# Altium PCB WX0.010.826PCB-4.2.PcbDoc (part 2 of 2)
Units mil, origin at the board's own origin, x right, y up, seen from the top; angles counter-clockwise.
Board outline 4340.74 x 9647.83 mil, 4 copper layers (Top Layer, GND, POWER, Bottom Layer), stack 80.043 mil thick; 211 components, 152 nets, 662 pads, 484 vias.
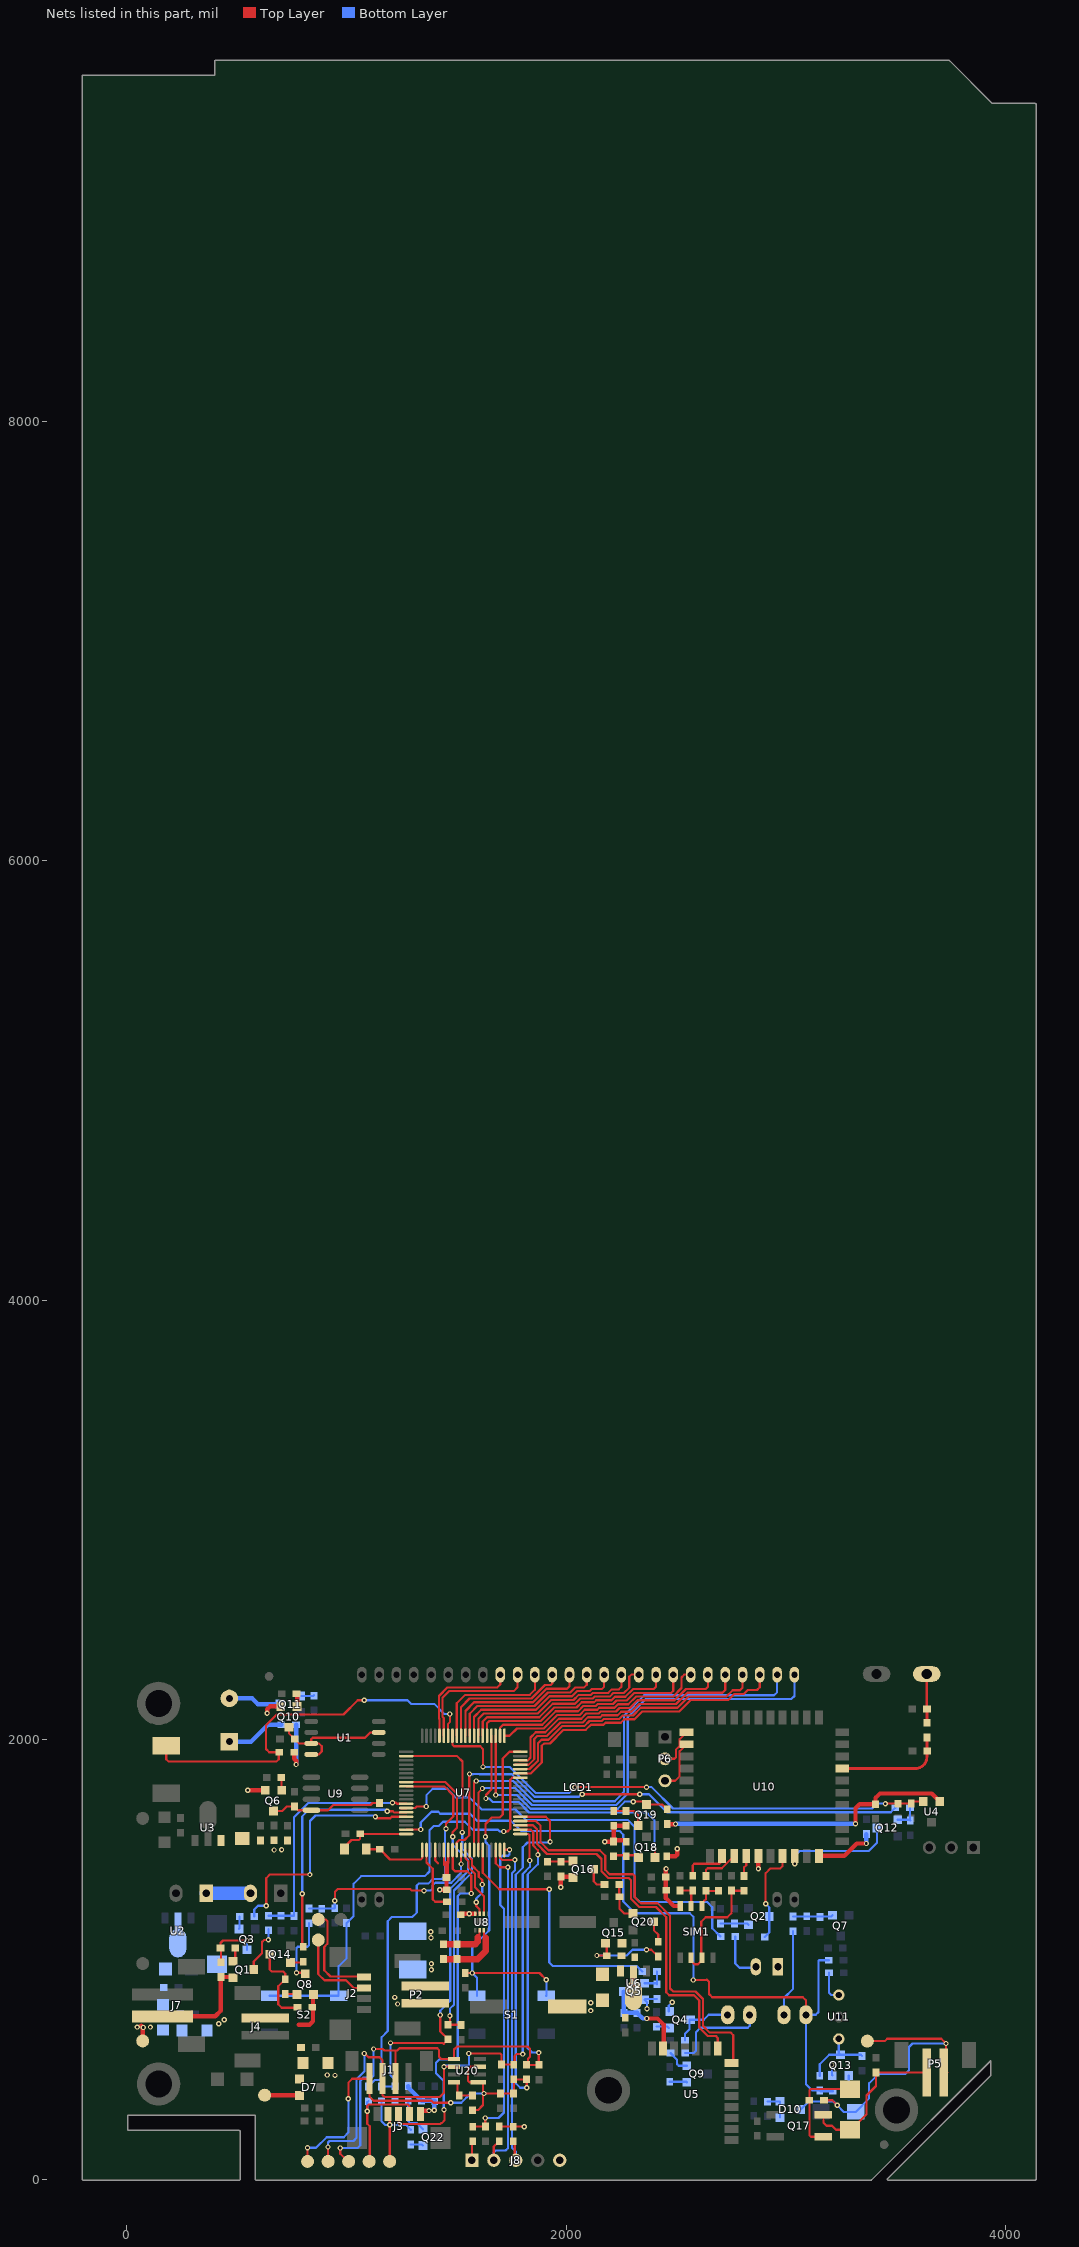
[diagram p4: the nets of this part, all layers, seen from the top]

## Via types
v1: diameter 24, hole 12, Top Layer to Bottom Layer, tented both sides, 484 vias

## Nets (pads, with @x,y where several pads share a name; then routed paths per layer and width w, separated by ;. In a path a pad name is that pad's centre, name@x,y a point inside that pad or via, vN(x,y) a via of type N, cw(c..) or ccw(c..) an arc to the next point about the centre after c; other vN are vias at no path point) (continued)
GPRS_WAKEUP: R45.1 U7.69 | length 2413
  Top Layer w10: U7.69@1502.37,1498 1502.37,1531.89 1513.94,1543.46 1537.72,1543.46 1559,1564.75 1559,1843 v1(1560,1844) ; v1(2073,1752) v1(2335,1752)
  Bottom Layer w10: v1(1560,1844) 1561,1843 1576.52,1843 1577.75,1844.23 1604.25,1844.23 1605.48,1843 1752.96,1843 1856.09,1739.87 2058.09,1739.87 2070.23,1752 v1(2073,1752) ; v1(2335,1752) 2377,1752 2459,1670 3477.2,1670 R45.1@3497.6,1690.4
HALL1_INTP6: C41.1 C43.1 U4.2 U7.33 | length 2388.9
  Top Layer w10: U7.33@1482.69,2017.68 1482.69,1977.31 1490,1970 1609,1970 1622,1957 v1(1622,1876) ; v1(2039,1783) 2043,1787 2046,1784 v1(2366,1784) ; v1(3453,1709) 3570.51,1709 C41.1@3571,1709.49 3579.75,1718.24 U4.2@3625.6,1718.24
  Bottom Layer w10: v1(1622,1876) 1744,1876 1863.13,1756.87 2012.87,1756.87 v1(2039,1783) ; v1(2366,1784) 2389,1784 2486,1687 3392,1687 3414,1709 v1(3453,1709)
HIC1_EXT: J3.3 U7.68 | length 1709.5
  Top Layer w10: J3.3@1237.96,295.66 1237.96,256.04 1243,251 1427.25,251 1431.25,255 1434,255 1446,267 1446,314 v1(1444,316) ; U7.68@1483.69,1498 1483.69,1411.31 1494,1401 1550,1401 1568.5,1382.5 v1(1568.5,1299.73)
  Bottom Layer w10: v1(1444,316) 1443,317 1443,447 1408,482 1408,530 1424,546 1496,546 1507,557 1507,1289 1517.73,1299.73 v1(1568.5,1299.73)
IN1: 119.1 D10.3 P5.1 R75.1 TVS2.1 | length 1501
  Top Layer w10: R75.1@3174,359 3211,359 v1(3234,336) ; 119.1@3371,628 3450,628 3461,639 3707,639 v1(3729,617) 3729,490.38 P5.1@3734.2,485.18
  Bottom Layer w10: D10.3@3068.24,317.26 3104.42,353.43 3216.57,353.43 v1(3234,336) 3264,306 TVS2.1@3317.48,306 3379,367.52 3379,436 3421,478 3542,478 3560,496 3560,601 3576,617 v1(3729,617)
IN2: D13.1 FB2.2 P5.2 Q17.2 | length 712.9
  Top Layer w10: Q17.2@3171,293 3171,257 3185,243 3210,243 3228,225 D13.1@3292,225 3297,225 3367,295 3367,381 3410,424 FB2.2@3410,485 3410.51,485.51 3640.13,485.51 P5.2@3640.46,485.18
INTP1: C47.2 S1.1 U7.20 | length 1730.7
  Top Layer w10: C47.2@1541,938 v1(1573,938) 1879,938 v1(1910,907) ; v1(1632.69,1558.46) 1632.69,1616.69 1661.52,1645.52 1698.48,1645.52 1712,1659.04 1712,1914.21 1742.64,1944.85 U7.20@1791.74,1944.85 U7.20@1792.74,1944.85
  Bottom Layer w10: S1.1@1594.49,834.65 1594.49,916.51 v1(1573,938) 1573,1054 1578,1059 1577,1060 1650,1133 1650,1517 1632.69,1534.31 v1(1632.69,1558.46) ; S1.1@1909.45,834.65 1910,835.2 v1(1910,907)
INTP4: C46.2 S2.1 U7.14 | length 2064.8
  Top Layer w10: v1(1716,1582) 1733,1582 1746,1595 1746,1817.74 1755,1826.74 U7.14@1766.74,1826.74
  Bottom Layer w10: S2.1@649.61,834.65 S2.1@964.57,834.65 964.57,968.57 1001,1005 C46.2@1001,1166 1033,1198 1033,1345 1067,1379 1357,1379 1378,1400 1378,1588.18 1397.28,1607.46 1420.7,1607.46 1440.1,1626.87 1539.13,1626.87 1575.54,1590.46 1689.94,1590.46 1698.41,1582 v1(1716,1582)
IRED_RXD_EN: D6.2 R23.2 R32.1 R34.1 U7.59 | length 3469.9
  Top Layer w10: U7.59@1272.06,1590.52 1272.54,1591 v1(1338,1591) ; v1(2579,906) 2637,906 2640,909 2650,899 2650,843 2665,828 3077.34,828 3091.34,814 D6.2@3091.34,748.03
  Bottom Layer w10: v1(1338,1591) 1338,1623 1387,1672 1418.25,1672 1427.25,1663 1562.58,1663 1594.58,1631 1748.58,1631 1795.58,1584 2244,1584 2260,1568 2260,1263.62 2313.62,1210 2563,1210 2579,1194 v1(2579,906) ; R23.2@3195,996 3152,996 3149,993 3149,761 3136.03,748.03 D6.2@3091.34,748.03 3091.34,431.66 3120,403 R32.1@3154,403 3157,400 R34.1@3214,400
LED: R37.1 U7.54 | length 2046.5
  Top Layer w10: U7.54@1247.06,1688.94 1248,1688 U7.54@1273.06,1688 ; U7.54@1272.06,1688.94 1312.95,1688.94 1320.01,1696 v1@1357.11,1696 ; v1@1361,1692.11 1365,1696.11 1364,1697.11 v1(1364,1696)
  Bottom Layer w10: v1(1364,1696) 1364,1747 1393.39,1776.39 1458.61,1776.39 1497,1738 1559.7,1738 1615.7,1682 1769.71,1682 1816.71,1635 2279.96,1635 2311,1603.96 2311,1284.75 2334.75,1261 2642,1261 2665,1238 2665,1142 R37.1@2703,1104
MCU_RxD1: Q19.3 R74.1 U7.23 | length 1105
  Top Layer w10: v1(1680,1748) 1679.54,1748.46 U7.23@1679.54,2017.68 U7.23@1680.04,2017.18 ; v1(2306,1718) 2352.09,1718 Q19.3@2365.6,1704.49 2438.51,1704.49 2452.35,1690.65 2455.7,1694.01 R74.1@2462.74,1694.01
  Bottom Layer w10: v1(1680,1748) 1775.83,1748 1837.83,1686 2235.04,1686 2267.04,1718 v1(2306,1718)
MCU_TxD1: Q18.2 U7.24 | length 1271.4
  Top Layer w10: v1(1635,1732) 1635,1748.25 1659.85,1773.11 U7.24@1659.85,2017.68 ; v1(2402,1504) 2403.81,1502.19 Q18.2@2403.81,1468.36
  Bottom Layer w10: v1@1635,1734 v1(1635,1732) 1650.75,1732 1666.75,1716 1783.79,1716 1830.79,1669 2366,1669 2402,1633 v1(2402,1504)
MOTO_B: C37.2 C60.2 J2.1 M_B.1 P2.1 TVS1.2 U8.3 | length 740
  Top Layer w10: M_B.1@872,1182 906,1182 913.53,1174.47 913.53,1071.2 899,1056.67 899,951 927.95,922.05 J2.1@1062,922.05 ; U8.3@1625.84,1132.59 1625.84,1108.16 1635,1099
  Top Layer w30: C37.2@1457,1001.49 1597.49,1001.49 1635,1039 1635,1099
  other v1: 1387,953 1387,980
MOTO_R: C37.1 C60.1 J2.2 M_R.1 P2.2 TVS1.1 U8.2 | length 590.5
  Top Layer w10: M_R.1@872,1088.4 872,933 899.95,905.05 997.95,905.05 1032.58,870.42 J2.2@1080,870.42 ; 1598,1100 1606.16,1108.16 U8.2@1606.16,1132.59
  Top Layer w30: C37.1@1457,1068.49 1585.49,1068.49 1598,1081 1598,1100
  other v1: 1233,797 1220,827 1385,1099 1384,1126
NB_POWER: Q20.3 R18.1 | length 99.2
  Top Layer w10: Q20.3@2399.24,1171 2399.24,1132.76 2419,1113 R18.1@2419,1080
NetB1_1: B1.1 R27.1 | length 268.9
  Bottom Layer w20: B1.1@467,1991 566,1991 643,2068 R27.1@704,2068
NetB1_2: B1.2 Q11.3 | length 241.5
  Bottom Layer w20: B1.2@467,2187.85 571.15,2187.85 597,2162 Q11.3@697.76,2162
NetC1_1: C1.1 R2.2 U10.27 | length 503.5
  Top Layer w13: U10.27@3256.9,1868.9 3589,1868.9 ccw(c3589,1921.9) 3642,1921.9 R2.2@3642,2010
NetC2_1: C2.1 R2.1 W1.1 | length 222.4
  Top Layer w13: W1.1@3641,2299 3641,2141 C2.1@3642,2140 R2.1@3642,2077
NetC4_1: C4.1 D2.2 R42.1 U2.2
NetC11_1: C11.1 Q7.1 R5.2 R19.1 | length 182.1
  Bottom Layer w10: R19.1@3033,1195.14 3206.6,1195.14 Q7.1@3212.6,1201.14
NetC12_2: C12.2 C50.1 | length 201.2
  Bottom Layer w60: C12.2@362,1301 562.89,1301 C50.1@563.14,1300.75
NetC21_1: C21.1 Q15.2 R6.2 R50.2 U6.3
NetC22_1: C22.1 C33.1 Q5.3 U5.14 | length 412
  Top Layer w20: v1(2367,731) 2416,731 2445,702 2445,598.53 U5.14@2440.4,593.93
  Bottom Layer w20: Q5.3@2261.76,854 2261.76,758.74 C33.1@2264,756.49 C22.1@2323,756.49 2348.49,731 v1(2367,731)
NetC36_1: C36.1 Q10.3 U1.3 U1.7 U1.8 | length 617.8
  Top Layer w10: Q10.3@738.26,2056.75 738.26,2029.74 C36.1@765,2003 786,1982 876,1982 888,1970 888,1946 875,1933 U1.8@840,1933 ; U1.7@840,1983 840,2002 847,2009 1085.04,2009 1109.04,2033 U1.3@1147.09,2033
NetC38_1: C38.1 U7.62 | length 306.3
  Top Layer w10: U7.62@1364.57,1498 1364.57,1441.43 1393,1413 1393,1273 1404,1262 C38.1@1458,1262
NetC54_2: C54.2 Q18.1 R48.1 | length 116.5
  Top Layer w10: R48.1@2215,1474.36 2323.01,1474.36 Q18.1@2329.01,1468.36
NetC55_2: C55.2 Q19.1 R51.1 | length 165
  Top Layer w10: R51.1@2217,1675 C55.2@2273,1675 2309,1675 2328.2,1655.8 Q19.1@2328.2,1610
NetC58_1: C58.1 Q6.3 R22.1 U9.8 | length 511.7
  Top Layer w10: Q6.3@668,1675.76 708.76,1675.76 728.51,1695.51 C58.1@764,1695.51 780.51,1679 U9.8@841,1679 916,1679 940,1703 1110,1703 1119,1712 R22.1@1151,1712
NetC65_2: C65.2 Q13.3 R32.2 U11.3 | length 341.6
  Bottom Layer w10: R32.2@3154,470 3154,523 3197.24,566.24 Q13.3@3249,566.24 ; U11.3@3241,638 3241,574.24 Q13.3@3249,566.24 ; C65.2@3347,560 3340.76,566.24 Q13.3@3249,566.24
NetD1_2: D1.2 R37.2 | length 226.1
  Bottom Layer w10: R37.2@2770,1104 2770,981 2789,962 2858.82,962 D1.2@2863.39,966.57
NetD5_1: D5.1 Q4.3 R16.2 | length 285.2
  Bottom Layer w10: R16.2@2541,632 2541,661 2561.49,681.49 2561.49,725.4 2626.4,725.4 2649.03,748.03 D5.1@2735.43,748.03
NetD5_2: D5.2 R15.2 | length 445
  Bottom Layer w10: R15.2@2542,574 2581,574 2591,584 2591,669 2611,689 2827,689 2835.43,697.43 D5.2@2835.43,748.03
NetD6_1: D6.1 R19.2 | length 397.4
  Bottom Layer w10: D6.1@2991.34,748.03 2991.34,824.34 3033,866 R19.2@3033,1128.14
NetD10_1: D10.1 D10.2 FB1.2 | length 129.8
  Bottom Layer w10: FB1.2@2915.88,352.86 2971.95,352.86 2973.76,351.05 D10.1@2973.76,279.86
NetD13_2: D13.2 Q17.1 R75.2 | length 457.8
  Top Layer w10: Q17.1@3171,193 3114,193 3107,200 R75.2@3107,359 3107,403 3114,410 D13.2@3292,410
NetJ8_1: J8.1 R95.2 | length 87.2
  Top Layer w10: J8.1@1571,86 1571,169 R95.2@1574,172
NetP6_2: P6.2 U10.1 | length 187.5
  Top Layer w10: P6.2@2450,1913 2493.55,1913 2499.55,1919 2499.55,1954.49 2516.55,1971.49 2516.55,2002.57 U10.1@2548.24,2034.25
NetP6_3: P6.3 U10.2 | length 233.8
  Top Layer w10: P6.3@2450,1813 2496,1813 2516.55,1833.55 2516.55,1947.45 U10.2@2548.24,1979.13
NetQ1_1: Q1.1 R1.2 | length 64.8
  Top Layer w10: Q1.1@483.76,991.4 494,1001.65 R1.2@494,1052
NetQ1_3: Q1.3 R9.1 | length 221.8
  Top Layer w10: Q1.3@578.24,954 578.24,990.24 616,1028 616,1079 626,1089 v1(645,1089)
  Bottom Layer w10: v1(645,1089) R9.1@645,1132 R9.1@645,1137
NetQ2_1: Q2.1 R11.2 R28.2 | length 128.8
  Bottom Layer w10: R11.2@2703,1163 R28.2@2766,1163 2824.85,1163 Q2.1@2829.76,1158.1
NetQ3_1: Q3.1 R14.2 | length 58.2
  Bottom Layer w10: Q3.1@510.6,1138.24 514,1141.65 R14.2@514,1195
NetQ3_3: Q3.3 R1.1 R10.1 | length 255.5
  Top Layer w10: R10.1@429,987 429,1050 R1.1@427,1052 427,1075 438,1086 v1(546,1086)
  Bottom Layer w10: v1(546,1086) 548,1084 Q3.3@548,1043.76
NetQ4_1: Q4.1 R25.1 | length 58.5
  Bottom Layer w10: R25.1@2411,694 2461,694 Q4.1@2467,688
NetQ5_1: Q5.1 R7.1 R8.2 | length 117
  Bottom Layer w10: Q5.1@2356.24,891.4 2408.6,891.4 R7.1@2413,887 2413,944 R8.2@2414,945
NetQ6_1: Q6.1 R20.2 | length 58.3
  Top Layer w10: R20.2@704,1828 704,1771.65 Q6.1@705.4,1770.24
NetQ8_1: Q8.1 R33.2 | length 54.4
  Top Layer w10: R33.2@721.87,842.87 772.07,842.87 Q8.1@775.07,839.87
NetQ8_3: Q8.3 R24.1 | length 325.4
  Top Layer w10: v1(773,939) 817.11,939 Q8.3@812.47,934.36
  Bottom Layer w10: v1(773,939) 773,1052 779,1058 823,1058 830,1065 R24.1@830,1164.36
NetQ9_1: Q9.1 R3.2 | length 77.7
  Bottom Layer w10: R3.2@2472,443 2547.2,443 Q9.1@2549,441.2
NetQ9_2: Q9.2 R15.1 | length 109.7
  Bottom Layer w10: R15.1@2475,574 2505,544 2505,524 2513,516 Q9.2@2549,516
NetQ10_1: Q10.1 R12.2 | length 58.9
  Top Layer w20: R12.2@773,2209 775.66,2206.34 Q10.1@775.66,2151.24
NetQ11_1: Q11.1 R38.2 | length 61.8
  Bottom Layer w10: Q11.1@792.24,2199.4 850.4,2199.4 R38.2@853,2202
NetQ12_1: Q12.1 R45.2 R46.2 | length 115.2
  Bottom Layer w10: Q12.1@3508.99,1635.67 3562.34,1635.67 R46.2@3564.6,1633.41 ; R45.2@3564.6,1690.4 R46.2@3564.6,1633.41 ; R46.2@3565.74,1632.27 R46.2@3564.6,1633.41
NetQ13_1: Q13.1 R34.2 | length 74
  Bottom Layer w10: R34.2@3281,400 3286.4,405.4 Q13.1@3286.4,471.76
NetQ14_1: Q14.1 R36.2 | length 59.7
  Top Layer w10: Q14.1@746,986 800,986 R36.2@804,990
NetQ14_3: Q14.3 R26.1 R33.1 | length 395.5
  Top Layer w10: Q14.3@651.51,1023.4 651.51,953.49 660,945 712,945 721.87,935.13 R33.1@721.87,909.87 690,878 690,796 706,780 776,780 R26.1@777.87,781.87
NetQ15_1: Q15.1 R6.1 R18.2 | length 407
  Top Layer w10: v1(2140,1018) 2184,1018 R6.1@2185,1017 2185,1068.35 Q15.1@2179.6,1073.76 ; v1(2366,1044) 2388,1044 R18.2@2419,1013
  Bottom Layer w10: v1(2140,1018) 2276,1018 2302,1044 v1(2366,1044)
NetQ16_1: Q16.1 R39.1 R40.2 | length 117.2
  Top Layer w10: R40.2@1915,1445 2028.2,1445 Q16.1@2031,1447.8
NetQ16_3: Q16.3 R41.2 | length 110.4
  Top Layer w10: Q16.3@2125.49,1410.4 2125.49,1355.51 2140,1341 R41.2@2175,1341
NetQ20_1: Q20.1 R41.1 R43.2 | length 181.5
  Top Layer w10: R41.1@2242,1341 2242,1286 R43.2@2243,1285 2243,1231 2265.6,1208.4 Q20.1@2304.76,1208.4
NetQ22_1: Q22.1 R61.1 | length 58
  Bottom Layer w10: R61.1@1293,158 1343.35,158 Q22.1@1348.76,152.6
NetQ22_2: Q22.2 R58.2 R59.1 | length 241.9
  Bottom Layer w10: R58.2@1220.56,356 R59.1@1281.84,356 ; R59.1@1281.84,357 R59.1@1281.84,356 ; R59.1@1287,356 R59.1@1291,360 ; Q22.2@1348.76,227.4 1321.16,255 1291,255 1281.84,264.16 R59.1@1281.84,356
NetR31_1: R31.1 U11.1 | length 140.1
  Bottom Layer w10: R31.1@3196,939 3196,848 3206,838 U11.1@3241,838
NetR96_1: R96.1 R97.1 U20.8 | length 128.6
  Top Layer w10: U20.8@1490,440.57 1505,440.57 1505,381 R97.1@1559,381
OPEN: U7.71 U8.6 | length 325.4
  Top Layer w10: U7.71@1541.74,1498 1541.74,1460.45 1555.06,1447.13 1555.06,1419.99 1585.5,1389.54 1585.5,1327.98 1625.84,1287.64 U8.6@1625.84,1207.4
RESET: C61.2 Q2.3 U10.17 | length 442.1
  Top Layer w10: v1(2908,1253) 2908,1392 2930.24,1414.24 2974.24,1414.24 2985.24,1425.24 U10.17@2985.24,1471.26
  Bottom Layer w10: C61.2@2904,1102 2924.24,1122.24 Q2.3@2924.24,1195.5 2924.24,1236.76 v1(2908,1253)
RST: C49.2 R95.1 U7.80 | length 1450.1
  Top Layer w10: R95.1@1574,239 1631,239 1632,240 v1(1632,278) ; U7.80@1719.91,1498 1720.91,1499 v1(1742,1499)
  Bottom Layer w10: v1(1632,278) 1692,278 1717.16,303.16 1717.16,1230.88 1700,1248.04 1700,1461 1711,1472 1737,1472 1742,1477 v1(1742,1499)
RXD0: U5.9 U7.3 | length 1766.4
  Top Layer w10: U7.3@1766.74,1610.2 1848.8,1610.2 1867,1592 1867,1525.7 1912.7,1480 2138,1480 2161,1457 2161,1400.7 2190.7,1371 2284,1371 2295,1360 2295,1276.7 2333.2,1238.5 2409.46,1238.5 2456,1191.96 2456,850 2469.37,836.63 2469.75,837 2581.92,837 2606,812.92 2606,689.92 2644.92,651 2682,651 2690.4,642.6 U5.9@2690.4,593.93
S0: LCD1.9 U7.36 | length 528.1
  Top Layer w10: U7.36@1423.63,2017.68 1423.63,2094.07 1421,2096.7 1421,2199.04 1459.96,2238 1687,2238 1700.39,2251.39 LCD1.9@1700.39,2295.99
S1: LCD1.10 U7.35 | length 594
  Top Layer w10: U7.35@1443.32,2017.68 1443.32,2098.43 1438,2103.75 1438,2192 1467,2221 1761,2221 1779.13,2239.13 LCD1.10@1779.13,2295.99
S2: LCD1.11 U7.32 | length 597.8
  Top Layer w10: U7.32@1502.37,2017.68 1502.37,2165.37 1541,2204 1835,2204 1857.87,2226.87 LCD1.11@1857.87,2295.99
S3: LCD1.12 U7.31 | length 630.4
  Top Layer w10: U7.31@1522.06,2017.68 1522.06,2149.06 1560,2187 1842.04,2187 1903.6,2248.56 1929.56,2248.56 1936.61,2255.61 LCD1.12@1936.61,2295.99
S4: LCD1.13 U7.30 | length 686.2
  Top Layer w10: U7.30@1541.74,2017.68 1541.74,2130.74 1581,2170 1849.08,2170 1910.64,2231.56 2004,2231.56 2015.35,2242.91 LCD1.13@2015.35,2295.99
S5: LCD1.14 U7.29 | length 733.8
  Top Layer w10: U7.29@1561.43,2017.68 1561.43,2118.43 1596,2153 1856.12,2153 1917.68,2214.56 2019.32,2214.56 2042.76,2238 2082,2238 2094.09,2250.09 LCD1.14@2094.09,2295.99
S6: LCD1.15 U7.28 | length 789.4
  Top Layer w10: U7.28@1581.11,2017.68 1581.11,2103.11 1614,2136 1863.17,2136 1924.73,2197.56 2026.36,2197.56 2049.8,2221 2106.41,2221 2115.41,2230 2162,2230 2172.83,2240.83 LCD1.15@2172.83,2295.99
S7: LCD1.16 U7.27 | length 843.7
  Top Layer w10: U7.27@1600.8,2017.68 1600.8,2094.8 1625,2119 1870.21,2119 1931.77,2180.56 2033.4,2180.56 2056.84,2204 2113.45,2204 2122.45,2213 2192.08,2213 2208.08,2229 2240,2229 2251.57,2240.57 LCD1.16@2251.57,2295.99
S8: LCD1.17 U7.26 | length 891.8
  Top Layer w10: U7.26@1620.48,2017.68 1620.48,2082.48 1640,2102 1877.25,2102 1938.81,2163.56 2040.44,2163.56 2063.88,2187 2120.5,2187 2129.5,2196 2199.12,2196 2215.12,2212 2262.08,2212 2287,2236.92 2287,2286 2296.99,2295.99 LCD1.17@2330.31,2295.99
S9: LCD1.18 U7.25 | length 949.4
  Top Layer w10: U7.25@1640.17,2017.68 1640.17,2074.17 1651,2085 1884.29,2085 1945.85,2146.56 2047.49,2146.56 2070.93,2170 2127.54,2170 2136.54,2179 2206.17,2179 2222.17,2195 2269.12,2195 2304.12,2230 2398,2230 2409.06,2241.06 LCD1.18@2409.06,2295.99
S10: LCD1.19 U7.22 | length 968.7
  Top Layer w10: U7.22@1699.22,2017.68 1699.22,2054.22 1713,2068 1891.33,2068 1952.89,2129.56 2054.53,2129.56 2077.97,2153 2134.58,2153 2143.58,2162 2213.21,2162 2229.21,2178 2276.17,2178 2311.17,2213 2479.04,2213 2487.8,2221.75 LCD1.19@2487.8,2295.99
S11: LCD1.20 U7.21 | length 990.1
  Top Layer w10: U7.21@1719.91,2017.68 1742.68,2017.68 1776,2051 1898.37,2051 1959.93,2112.56 2061.57,2112.56 2085.01,2136 2141.62,2136 2150.62,2145 2220.25,2145 2236.25,2161 2283.21,2161 2318.21,2196 2486.08,2196 2525,2234.92 2525,2283 2537.99,2295.99 LCD1.20@2566.54,2295.99
S12: LCD1.21 U7.18 | length 1107.7
  Top Layer w10: U7.18@1785,1905.48 1824.94,1905.48 1838,1918.54 1838,2010 1862,2034 1905.42,2034 1966.98,2095.56 2068.61,2095.56 2092.05,2119 2148.66,2119 2157.66,2128 2227.29,2128 2243.29,2144 2290.25,2144 2325.25,2179 2493.12,2179 2545.12,2231 2635,2231 2645.28,2241.28 LCD1.21@2645.28,2295.99
S13: LCD1.22 U7.17 | length 1221.8
  Top Layer w10: U7.17@1766.74,1885.8 U7.17@1791.74,1885.8 1829.29,1885.8 1855,1911.5 1855,2002.96 1869.04,2017 1912.46,2017 1974.02,2078.56 2075.65,2078.56 2099.09,2102 2155.7,2102 2164.7,2111 2234.33,2111 2250.33,2127 2297.29,2127 2332.29,2162 2500.17,2162 2552.17,2214 2712,2214 2724.02,2226.02 LCD1.22@2724.02,2295.99
S14: LCD1.23 U7.16 | length 1295.4
  Top Layer w10: U7.16@1766.74,1866.11 U7.16@1791.74,1866.11 1833.65,1866.11 1872,1904.46 1872,1984 1888,2000 1919.5,2000 1981.06,2061.56 2082.69,2061.56 2106.13,2085 2162.75,2085 2171.75,2094 2241.37,2094 2257.37,2110 2304.33,2110 2339.33,2145 2507.21,2145 2559.21,2197 2730.08,2197 2758.08,2225 2791,2225 2802.76,2236.76 LCD1.23@2802.76,2295.99
S15: LCD1.24 U7.15 | length 1378.9
  Top Layer w10: U7.15@1766.74,1846.43 1839.01,1846.43 1889,1896.42 1889,1972 1900,1983 1926.54,1983 1988.1,2044.56 2089.74,2044.56 2113.18,2068 2170,2068 2179,2077 2248.42,2077 2264.42,2093 2311.37,2093 2346.37,2128 2514.25,2128 2566.25,2180 2737.12,2180 2765.12,2208 2808.08,2208 2826.08,2226 2869,2226 2881.5,2238.5 LCD1.24@2881.5,2295.99
S16: LCD1.25 U7.73 | length 2214.7
  Top Layer w10: U7.73@1581.11,1498 1581.11,1802.89 1590.45,1812.23 v1(1591,1812.23)
  Bottom Layer w10: v1(1591,1812.23) 1759.69,1812.23 1851.92,1720 2220.96,1720 2263.48,1762.52 2263.48,2109.52 2355.96,2202 2946,2202 2960.24,2216.24 LCD1.25@2960.24,2295.99
S17: LCD1.26 U7.74 | length 2246.1
  Top Layer w10: U7.74@1600.8,1498 1600.69,1498.11 1600.69,1758.69 1619,1777 v1(1619,1778)
  Bottom Layer w10: v1(1619,1778) 1621,1780 1767.88,1780 1844.88,1703 2228,1703 2280.48,1755.48 2280.48,2102.48 2363,2185 3025,2185 3038.98,2198.98 LCD1.26@3038.98,2295.99
SIM_CLK: R52.1 U10.13 | length 183.1
  Top Layer w10: R52.1@2636.01,1379.26 2636.01,1407.01 2644,1415 2708.51,1415 U10.13@2764.77,1471.26
SIM_DATA: R21.1 U10.14 | length 96.1
  Top Layer w10: R21.1@2810.01,1379.26 2810.01,1419.01 2819.89,1428.89 U10.14@2819.89,1471.26
SIM_RST: R17.1 U10.12 | length 213.7
  Top Layer w10: R17.1@2576.01,1380.26 2576.01,1428.01 2583,1435 2698,1435 2709.65,1446.65 U10.12@2709.65,1471.26
SLEEP: U7.72 U8.7 | length 331.5
  Top Layer w10: U7.72@1561.43,1498 1561.43,1464.8 1572.06,1454.17 1572.06,1427.03 1602.5,1396.58 1602.5,1376.5 1618,1361 v1(1618,1341) ; v1(1591,1260) 1591,1243 1606.17,1227.83 U8.7@1606.17,1207.4
  Bottom Layer w10: v1(1591,1260) 1591,1276.97 1618,1303.97 v1(1618,1341)
SWCLK: J8.2 R94.1 U7.78 | length 1606.1
  Top Layer w10: J8.2@1671,86 1671,149 R94.1@1695,173 ; U7.78@1679.54,1498 1679.54,1437 1697.54,1419 v1(1735,1419)
  Bottom Layer w10: J8.2@1671,86 1671,121 1680,130 1724,130 1735,141 v1(1735,1419)
SWIO: J8.3 R93.2 U7.79 | length 1575.4
  Top Layer w10: U7.79@1699.22,1498 1699.22,1462 1708.69,1452.54 1766.54,1452.54 v1(1767,1453) ; R93.2@1766,172 1766,91 J8.3@1771,86
  Bottom Layer w10: v1(1767,1453) 1767,1405.75 1754,1392.75 1754,143 1771,126 J8.3@1771,86
TXD0: U5.8 U7.4 | length 1933.4
  Top Layer w10: U7.4@1766.74,1629.89 1862.11,1629.89 1884,1608 1884,1532.75 1919.75,1497 2153,1497 2178,1472 2178,1407.75 2197.75,1388 2304,1388 2312,1380 2312,1283.75 2340.25,1255.5 2416.5,1255.5 2473,1199 2473,868 2487,854 2588.96,854 2623,819.96 2623,696.96 2651.96,668 2748,668 2761,655 2761,535 U5.8@2753,527
"UMCU TXD1 INT": C16.1 R4.2 U7.42 | length 1585
  Top Layer w10: U7.42@1273.06,1925.17 1503.83,1925.17 1528,1901 1528,1579 v1(1527,1578) ; v1(1471,744) 1471,711 R4.2@1463,703 1519.49,703 C16.1@1521,701.49
  Bottom Layer w10: v1(1471,744) 1471,775 1490,794 1490,1314 1571,1395 1571,1459.04 1527,1503.04 v1(1527,1578)
UMCU_RXD1: R4.1 R58.1 R62.1 U7.48 | length 2012.6
  Top Layer w10: v1(1201,620) 1439,620 1443,616 R4.1@1463,636 1427,672 v1(1427,747) ; U7.48@1273.06,1807.06 1449.24,1807.06 1503,1753.3 1503,1599.25 1482.77,1579.03 1482.77,1559.38 v1(1483.69,1558.46)
  Bottom Layer w10: R62.1@1160.28,422 1219.56,422 R58.1@1220.56,423 1220.56,453.44 1201,473 v1(1201,620) ; v1(1427,747) 1427,766 1473,812 1473,1321.04 1554,1402.04 1554,1452 1483.69,1522.31 v1(1483.69,1558.46)
UMCU_TXD1: R60.1 U7.49 | length 1831.7
  Top Layer w10: U7.49@1272.06,1787.37 1444.88,1787.37 1486,1746.25 1486,1650 1453.36,1617.36 v1(1453.36,1594.87)
  Bottom Layer w10: R60.1@1100,422 1129.5,451.5 1150,451.5 1160.28,461.78 1160.28,646.28 1188,674 1188,1174 1207,1193 1300,1193 1320,1213 1320,1335.96 1329.04,1345 1371.96,1345 1392.96,1366 1435,1366 1449,1380 1449,1591 1452.87,1594.87 v1(1453.36,1594.87)
UMU_RXD: J3.4 R60.2 RXD.1 | length 553
  Top Layer w10: RXD.1@1095,89.22 RXD.1@1103.59,80.63 1106.26,83.3 1106.26,241.18 1095,252.44 v1(1095,309) 1095,333 1102,340 1279,340 1287.17,331.83 J3.4@1287.17,295.66
  Bottom Layer w10: v1(1095,309) 1095,350 R60.2@1100,355
UMU_TXD: J3.2 R61.2 R62.2 TXD.1 | length 468.1
  Top Layer w10: J3.2@1186,292.91 J3.2@1188.75,295.66 1197,287.41 TXD.1@1197,80.63 ; TXD.1@1195.18,78.82 1197,77 TXD.1@1198.81,78.81
  Bottom Layer w10: R62.2@1160.28,355 1160.28,262.72 1176,247 v1(1197,247) 1271,247 R61.2@1293,225
USIM_CLK: C52.1 R52.2 SIM1.6 | length 106.4
  Top Layer w10: 2629,1267 2636.01,1274.01 R52.2@2636.01,1312.26 2636.5,1311.77 C52.1@2694.01,1311.77
USIM_DATA: C56.1 R21.2 SIM1.2 SIM1.3 | length 569.1
  Top Layer w10: SIM1.2@2569,1007 2569,993 2584,978 2600,978 2619,997 SIM1.3@2619,1007 2615,1011 2615,1172 2635,1192 2733.87,1192 2752.01,1210.13 C56.1@2752.01,1313.26 2753.01,1312.26 R21.2@2810.01,1312.26
USIM_RST: C24.1 R17.2 SIM1.7 | length 131.2
  Top Layer w10: C24.1@2518.01,1313.77 2575.5,1313.77 R17.2@2576.01,1313.26 2569,1306.25 SIM1.7@2569,1243.22
USIM_VDD: C25.2 C26.1 SIM1.8 U10.15 | length 283.5
  Top Layer w20: v1(2455,1413) 2455,1409.84 2452.95,1411.89 2454.03,1412.97 C26.1@2454.03,1375.75 2454.03,1278.97 2489.78,1243.22 SIM1.8@2519,1243.22 ; v1@2873,1414.02 v1(2875.01,1412.01) U10.15@2875.01,1471.26
VCC: C5.1 C6.1 C13.2 C17.1 C18.1 C30.1 C31.1 C32.1 C44.2 C48.2 D1.1 J3.5 J8.5 Q4.2 Q5.2 Q6.2 Q10.2 Q13.2 Q16.2 R7.2 R27.2 R39.2 R59.2 R63.2 R74.2 R93.1 R94.2 U3.3 U4.1 U7.64 U7.66 U7.67 U8.8 | length 2898.4
  Top Layer w10: U7.64@1403.94,1498 1403.94,1450.06 1417,1437 ; 1444.32,1430.31 U7.66@1444.32,1498 ; C44.2@1456,1316 C44.2@1457,1315 ; 1457,1435 1463,1441 U7.67@1463,1498 ; 1464,1439 U7.67@1464,1498 ; R94.2@1695,240 1765,240 1766,239 v1(1809,239)
  Top Layer w20: v1(550.76,1770.24) Q6.2@630.6,1770.24 ; v1(639,2120) 639,2138 652.24,2151.24 Q10.2@700.86,2151.24 ; R63.2@762,1943 762,1913 771,1904 v1(771,1887) ; 1352.72,312 v1(1376,312) ; v1(1425,1317) 1455,1317 C44.2@1456,1316 ; 1454,1438 1457,1435 C13.2@1457,1373 ; C13.2@1455.49,1373 1455.49,1318.51 C44.2@1457,1317 ; C48.2@1521,1203 1521,1207.4 U8.8@1583.65,1207.4 ; v1(1976,1329) R39.2@1976,1377 2027,1377 Q16.2@2031,1373 ; R74.2@2460,1616 v1(2498,1616) ; v1(3317,1618) 3317,1688 3335.49,1706.49 C32.1@3408,1706.49 3408,1735 3428.24,1755.24 3663.4,1755.24 U4.1@3700.4,1718.24
  Bottom Layer w10: v1(2368.23,775.77) 2368.23,804.62 Q5.2@2356.24,816.6 2359.65,820 R7.2@2413,820 ; Q4.2@2467,762.8 2467,789 v1(2483,805) ; v1(3210,520) 3210,474.16 3212,472.16 Q13.2@3211.6,471.76
  Bottom Layer w20: v1(771,1887) R27.2@771,2068 ; R59.2@1281.84,424 1281.84,417.28 C30.1@1342.12,357 1401.31,357 1400,355.69 v1(1400,313) ; v1(2498,1616) 2500,1618 v1(3317,1618)
  other v1: 1559,1207.4 671,1498 705,1499
VDD_BLE_CTL: R8.1 U7.75 | length 1211.3
  Top Layer w10: U7.75@1620.48,1498 1620.48,1394.52 1696,1319 v1(1923,1319)
  Bottom Layer w10: v1(1923,1319) 1923,986 1939,970 2322,970 R8.1@2347,945
VDD_EXT: C54.1 C55.1 C62.1 R48.2 R51.2 R73.2 U10.20 | length 585.7
  Top Layer w20: v1(2176,1535) 2208.64,1535 R48.2@2216.64,1543 ; C55.1@2273,1608 R51.2@2217,1608 2217,1543.36 R48.2@2216.64,1543 ; C54.1@2274,1543 R48.2@2216.64,1543 ; R73.2@2458,1469 2498,1469 2506,1477 v1(2506,1504) ; R73.2@2458,1474 R73.2@2460,1472 ; U10.20@3150.6,1471.26 3266.32,1471.26 3322.66,1527.6 v1(3366.6,1527.6)
  Bottom Layer w20: v1(3366.6,1527.6) C62.1@3366.6,1570.4
VIN: C29.2 D2.1 D4.1 J7.1 Q1.2 R10.2 VIN1.1 | length 558.4
  Top Layer w20: 67,699 73,693 VIN1.1@73,629 ; J7.1@163.06,741.01 403.01,741.01 429,767 R10.2@429,920 480.35,920 Q1.2@483.76,916.6
  other v1: 75,690 48,692 108,692
VIN2: C57.1 D7.1 D7.2 D9.1 J4.1 Q8.2 R26.2 VIN2.1 | length 352.7
  Top Layer w20: VIN2.1@628,382 786,382 D7.2@787,381 ; 783,703 832,703 848,719 848,838 Q8.2@849.87,839.87
VIN_CHEAK: C40.2 R9.2 R13.1 U7.53 | length 1116
  Top Layer w10: v1(1210,1713) 1225.63,1713 1230,1708.63 U7.53@1272.06,1708.63 U7.53@1273.06,1708.63
  Bottom Layer w10: R9.2@645,1199 759.51,1199 C40.2@761,1197.51 761,1646 827,1712 1209,1712 v1(1210,1713) 1210,1715 1213,1712 v1@1210,1712
VIN_CHEAK_EN: R14.1 U7.56 | length 1125.6
  Top Layer w10: v1(635,1244) 635,1370 651,1386 v1(834,1386) ; v1(1132,1649) 1139,1642 1199.25,1642 1206.83,1649.57 U7.56@1272.06,1649.57
  Bottom Layer w10: R14.1@581,1195 581,1227 598,1244 v1(635,1244) ; v1(834,1386) 834,1630 859,1655 1126,1655 v1(1132,1649)
VIN_NB: C15.1 C23.1 D4.2 D8.2 D9.2 R50.1 U6.2
  other v1: 948,472 913,474 419,707 444,726 2112,767 2112,803
VNB_CHEAK: C34.2 R24.2 R35.1 U7.70 | length 921.8
  Top Layer w10: v1(947,1267) 948,1268 948,1308 959.8,1319.8 1291,1319.8 1297.8,1313 v1(1353,1313) ; v1(1522,1434) 1522,1496.94 U7.70@1523.06,1498
  Bottom Layer w10: R24.2@830,1231.36 944.86,1231.36 C34.2@947,1233.51 v1(947,1267) v1@946,1268 ; v1(1353,1313) 1382.5,1313 1393,1323.5 1393,1337 1405,1349 1476.92,1349 1522,1394.08 v1(1522,1434)
VNB_CHEAK_EN: R36.1 U7.55 | length 1093.8
  Top Layer w10: v1(799,1299) 799,1062 R36.1@804,1057 ; v1@1187.65,1676.87 1187,1677.52 1186.77,1677.29 1186,1678.07 v1(1186,1674) 1211.26,1674 1216,1669.26 U7.55@1272.06,1669.26 U7.55@1273.06,1669.26
  Bottom Layer w10: v1(799,1299) 799,1651 829,1681 1179,1681 v1(1186,1674)
WAKEUP: Q12.3 U10.18 | length 538.5
  Top Layer w10: v1(3040.36,1435.36) U10.18@3040.36,1471.26
  Bottom Layer w10: v1(3040.36,1435.36) 3040.36,1471.41 3062.32,1493.37 3377.63,1493.37 3414.5,1530.24 Q12.3@3414.5,1598.27
WY_POW: C10.1 C64.1 J1.4 POW.1 R29.1 R30.1 R97.2 U7.5 U20.1 U20.3 | length 3448.7
  Top Layer w10: v1(823,143) 823.37,142.63 POW.1@823.37,80.63 POW.1@823.37,77.63 ; v1(1009,366) 1009,439.3 1027,457.3 J1.4@1105.71,457.3 1105.71,375 1123.71,357 1387,357 1396,348 v1(1475,348) ; R97.2@1574,314 1599,314 1622,337 v1@1622,390 ; U20.3@1608.11,511.43 1564.43,511.43 1553,500 1553,448 1560.43,440.57 U20.1@1600.24,440.57 1622,440.57 v1@1622,390 ; U7.5@1766.74,1649.57 U7.5@1791.74,1649.57 1907.43,1649.57 1927,1630 v1(1927,1535) ; v1(1821,416) 1821,444 1829,452 1827,454 1763,454 1763,390 v1(1626,390) v1@1622,390
  Bottom Layer w10: v1(823,143) 862,143 910,191 988,191 1009,212 v1(1009,366) ; v1(1475,348) 1523,348 1565,390 v1(1626,390) ; v1(1821,416) 1791,416 1771,436 1771,1385.7 1803,1417.7 1803,1511 1824,1532 1930,1532 v1(1927,1535)
WY_SCL: C39.2 J1.2 R29.2 SCL.1 U7.2 U20.5 | length 2948.7
  Top Layer w10: v1(972,142) 972,115.81 SCL.1@1010.18,77.63 ; v1(1123.75,592) 1166,592 1173,585 1231,585 1241.29,595.29 1413.71,595.29 1422,587 1422,556 1431.13,546.87 U20.5@1490,546.87 1490,590 1504,604 1824,604 1835,593 1835,555.75 1826,546.75 1826,527 R29.2@1820,521 ; J1.2@1223.83,457.3 1223.83,577.83 ; U7.2@1766.74,1590.52 1839.48,1590.52 1850,1580 1850,1518.66 1871.5,1497.16 v1(1871.5,1475.73) ; R29.2@1827,521 1828,520 1886,520 1874,532 1875,533 v1(1875,576)
  Bottom Layer w10: v1(972,142) 1051.04,142 1063,153.96 1063,447 1077,461 1114,461 1123.75,470.75 v1(1123.75,592) ; v1(1871.5,1475.73) 1871.5,1433.5 1825,1387 1825,596 1845,576 v1(1875,576)
WY_SDA: C45.1 J1.3 R30.2 SDA.1 U7.1 U20.6 | length 2923.4
  Top Layer w10: v1(916,146) 916.78,145.22 SDA.1@916.78,80.63 ; v1(1081.53,571.99) 1081.53,574.22 1100.75,555 1151,555 1164.77,541.23 J1.3@1164.77,457.3 1164.77,382.23 1173,374 1425,374 1444,393 v1(1444,512) 1489.43,512 U20.6@1490,511.43 ; v1(1557,572) 1700,572 1706,566 C45.1@1706,521.49 1765.51,521.49 1766,521 1766,561 1774,569 v1(1803,569) ; U7.1@1766.74,1570.83 1828.17,1570.83 1833,1566 1833,1452 v1(1835,1450)
  Bottom Layer w10: v1(916,146) 916,167 923,174 1032,174 1046,188 1046,455 1082,491 1082,571.52 v1(1081.53,571.99) ; v1(1444,512) 1448,516 1553,516 1558,521 1558,571 v1(1557,572) ; v1(1803,569) 1803,1389.04 1835,1421.04 v1(1835,1450)
X1: R63.1 S3.1 U7.34 | length 1802.1
  Top Layer w10: S3.1@180,1973 180,1911 191,1900 681,1900 692,1911 692,1940 R63.1@695,1943 649,1943 634,1958 634,2066 683,2115 987,2115 1051,2179 v1(1081,2179) ; U7.34@1463,2017.68 1463,2072 1472,2081 v1@1472,2116
  Bottom Layer w10: v1(1081,2179) 1278,2179 1294,2163 1400,2163 1446,2117 v1(1470,2117)
XT1: C28.2 U7.61 Y2.1 | length 320
  Top Layer w10: Y2.1@1082,1503 1084,1501 1144.49,1501 C28.2@1148.49,1497 ; C28.2@1152.49,1501 1198.49,1455 1339,1455 1344.89,1460.89 U7.61@1344.89,1498
XT2: C7.2 U7.60 Y2.2 | length 323.2
  Top Layer w10: Y2.2@983.57,1503 1023.57,1543 1056,1543 1062.51,1549.51 C7.2@1062.51,1570.83 ; C7.2@1062.51,1572 C7.2@1062.51,1570.83 ; U7.60@1265.06,1570.83 C7.2@1062.51,1570.83
pads on no net: LCD1.27 LCD1.28 LCD1.29 LCD1.30 MARK1.0 MARK1.1 MARK2.0 MARK2.1 SIM1.4 SIM1.5 U5.2 U5.3 U5.4 U5.5 U5.6 U5.7 U5.10 U5.11 U5.12 U5.13 U9.2 U9.4 U9.5 U10.3 U10.4 U10.5 U10.6 U10.7 U10.8 U10.11 U10.16 U10.19 U10.21 U10.24 U10.33 U10.34 U10.35 U10.36 U10.37 U10.38 U10.39 U10.40 U20.4 U20.7

## Polygon pours and split planes (outlines as drawn)
GND on Top Layer "GND_L01_P000" (solid, remove dead copper, pour order 0): 6,2280 92,2366 3729,2366 3957,2138 3957,482 3468,-7 302,-7 0,295 0,2275 6,2281
GND on Bottom Layer "GND_L04_P002" (solid, remove dead copper, pour order 2): 403,2376 3741,2376 3951,2166 3951,492.25 3458.75,0 295,0 -4,299 -4,2283 88,2375 414,2375
GND on GND (split plane): 3924.87,9432.39 3927.92,9429.89 3931.39,9428.03 3935.16,9426.89 3939.09,9426.5 4118.78,9426.5 4118.78,15.08 3503.41,15.08 3946.2,457.87 3948.7,460.92 3950.56,464.39 3951.7,468.16 3952.09,472.09 3952.09,538.65 3951.7,542.57 3950.56,546.34 3948.7,549.82 3946.2,552.86 3943.16,555.36 3939.68,557.22 3935.91,558.36 3931.99,558.75 3928.07,558.36 3924.3,557.22 3920.83,555.36 3917.78,552.86 3525.92,161 2029,161 2029,15.08 605.63,15.08 605.63,290.26 605.25,294.18 604.1,297.95 602.25,301.43 599.75,304.47 596.7,306.97 593.23,308.83 589.46,309.97 585.54,310.36 486,310.36 486,564 0,564 0,309.64 -2.68,308.83 -6.15,306.97 -9.2,304.47 -11.69,301.43 -13.55,297.95 -14.7,294.18 -15.08,290.26 -15.08,221.55 -14.7,217.63 -13.55,213.86 -11.69,210.39 -9.2,207.34 -6.15,204.84 -2.68,202.98 1.09,201.84 5.02,201.45 496.73,201.45 496.73,15.08 -181.77,15.08 -181.77,9555.78 400.5,9555.78 404.42,9556.17 408.19,9557.31 411.66,9559.17 414.71,9561.67 417.21,9564.72 419.06,9568.19 420.21,9571.96 420.59,9575.88 420.59,9622.71 3734.55,9622.71
VDD_EXT on POWER (split plane): 3390.91,1563.82 3390.91,1504.18 3375.82,1489.09 2380.18,1489.09 2356.13,1513.13 2354.04,1514.73 2351.61,1515.74 2349,1516.09 2153.18,1516.09 2143.09,1526.18 2143.09,1576.82 2155.18,1588.91 3365.82,1588.91
USIM_VDD on POWER (split plane): 2908.91,1388.18 2900.82,1380.09 2428.18,1380.09 2414.09,1394.18 2414.09,1468.91 2908.91,1468.91
GPRS_3.6V on POWER (split plane): 2250.91,1872.82 2250.91,1609.09 2151,1609.09 2148.39,1608.74 2147.38,1608.33 2145.96,1607.73 2143.87,1606.13 2125.87,1588.13 2124.26,1586.04 2123.26,1583.61 2122.91,1581 2122.91,1522 2123.26,1519.39 2124.26,1516.96 2125.87,1514.87 2141.87,1498.87 2143.96,1497.26 2145.38,1496.67 2146.39,1496.26 2149,1495.91 2249.91,1495.91 2249.91,1146.18 2234.82,1131.09 2029.18,1131.09 2014.09,1146.18 2014.09,1881.82 2022.18,1889.91 2233.82,1889.91
VIN_NB on POWER (split plane): 2169.91,830.82 2169.91,621.18 1950.82,402.09 879.18,402.09 856.09,425.18 856.09,627 855.74,629.61 855.33,630.62 854.74,632.04 853.13,634.13 807.13,680.13 805.04,681.73 802.61,682.74 800,683.09 284.09,683.09 284.09,811.82 309.18,836.91 2163.82,836.91
5V on POWER (split plane): 480.87,1164.87 482.96,1163.26 485.39,1162.26 488,1161.91 1587.82,1161.91 1605.91,1143.82 1605.91,1051.18 1598.99,1044.26 279.35,1044.26 265.09,1058.52 265.09,1230.82 284.18,1249.91 395.82,1249.91
3.6V on POWER (split plane): 326.91,1620.35 312.65,1606.09 203,1606.09 200.39,1605.74 197.96,1604.73 195.87,1603.13 181.87,1589.13 180.27,1587.04 179.26,1584.61 178.91,1582 178.91,723 179.26,720.39 180.27,717.96 181.87,715.87 231.87,665.87 233.96,664.26 236.39,663.26 239,662.91 795.82,662.91 835.91,622.82 835.91,421 836.26,418.39 837.26,415.96 838.87,413.87 867.87,384.87 869.96,383.26 872.39,382.26 875,381.91 954.91,381.91 954.91,262.18 939.82,247.09 838.18,247.09 772.09,313.18 772.09,545 771.74,547.61 770.74,550.04 769.13,552.13 721.13,600.13 719.04,601.73 716.61,602.74 714,603.09 200.18,603.09 110.09,693.18 110.09,1648.82 152.18,1690.91 326.91,1690.91
GND on POWER (split plane): 224 vertices, not listed, extent -181.77,15.08 4118.78,9622.71
VCC on POWER (split plane): 2572.91,2180.82 2572.91,1609.09 2271.09,1609.09 2271.09,1877 2270.74,1879.61 2269.74,1882.04 2268.13,1884.13 2245.13,1907.13 2243.04,1908.73 2240.61,1909.74 2238,1910.09 2018,1910.09 2015.39,1909.74 2012.96,1908.73 2010.87,1907.13 1996.87,1893.13 1995.26,1891.04 1994.26,1888.61 1993.91,1886 1993.91,1142 1994.26,1139.39 1995.26,1136.96 1996.87,1134.87 2017.87,1113.87 2019.96,1112.26 2022.39,1111.26 2025,1110.91 2239,1110.91 2241.61,1111.26 2244.04,1112.26 2246.13,1113.87 2264.18,1131.91 3276.82,1131.91 3281.91,1126.82 3281.91,419.18 3250.82,388.09 2343,388.09 2340.39,387.74 2339.38,387.33 2337.96,386.73 2335.87,385.13 2317.87,367.13 2316.26,365.04 2315.26,362.61 2314.91,360 2314.91,266.18 2305.82,257.09 2047,257.09 2044.39,256.74 2041.96,255.73 2039.87,254.13 2014.87,229.13 2013.26,227.04 2012.26,224.61 2011.91,222 2011.91,51.18 2006.82,46.09 1941.44,46.09 1936.09,51.44 1936.09,158 1935.74,160.61 1934.74,163.04 1933.13,165.13 1891.13,207.13 1889.04,208.73 1886.61,209.74 1884,210.09 1316.18,210.09 1305.09,221.18 1305.09,381.91 1955,381.91 1957.61,382.26 1960.04,383.26 1962.13,384.87 2187.13,609.87 2188.74,611.96 2189.74,614.39 2190.09,617 2190.09,835 2189.74,837.61 2188.74,840.04 2187.13,842.13 2175.13,854.13 2173.04,855.73 2170.61,856.74 2168,857.09 305,857.09 302.39,856.74 301.38,856.33 299.96,855.73 297.87,854.13 266.87,823.13 265.27,821.04 264.26,818.61 263.91,816 263.91,683.09 243.18,683.09 199.09,727.18 199.09,1577.82 207.18,1585.91 316.83,1585.91 319.44,1586.26 321.87,1587.26 323.96,1588.87 344.13,1609.04 345.74,1611.13 346.74,1613.56 347.09,1616.17 347.09,1690.91 442,1690.91 444.61,1691.26 447.04,1692.26 449.13,1693.87 515.13,1759.87 516.74,1761.96 517.74,1764.39 518.09,1767 518.09,2172.82 546.18,2200.91 2552.82,2200.91

## Keep-outs
Keep-Out Layer:
  lines w10: 0,216.54 511.81,216.54 511.81,0 0,0 ; 0,295 0,2295.28 ; 0,2641.73 511.81,2641.73 511.81,2425.2 0,2425.2 ; 0,5066.93 511.81,5066.93 511.81,4850.39 0,4850.39 ; 0,7492.13 511.81,7492.13 511.81,7275.59 0,7275.59 ; 3803.15,2030.94 3803.15,1769.68 3937.01,1769.68 ; 3803.15,2031.5 3937.01,2031.5 ; 3803.15,4456.14 3803.15,4194.88 3937.01,4194.88 ; 3803.15,4456.69 3937.01,4456.69 ; 3803.15,6881.34 3803.15,6620.08 3937.01,6620.08 ; 3803.15,6881.89 3937.01,6881.89 3937.01,7016.39 3740.8,7212.6 405.51,7212.6 405.51,7145.67 0,7145.67 ; 3803.15,9306.53 3803.15,9045.28 3937.01,9045.28 ; 3803.15,9307.09 3937.01,9307.09 ; 3936,1331.18 3440.94,1331.18 3440.94,780 3937.01,780 ; 3936,3756.38 3440.94,3756.38 3440.94,3205.2 3937.01,3205.2 ; 3936,6181.57 3440.94,6181.57 3440.94,5630.39 3937.01,5630.39 ; 3936,8606.77 3440.94,8606.77 3440.94,8055.59 3937.01,8055.59 ; 3937,470 3467,0 3937.01,0 ; 3937,2895.2 3467,2425.2 3937.01,2425.2 ; 3937.01,2975.96 3386.25,2425.2 590.55,2425.2 590.55,2720.47 0,2720.47 0,2425.2 ; 3937.01,3835.12 3937.01,3126.46 ; 3937.01,4202.76 3937.01,4456.69 ; 3937,5320.39 3467,4850.39 3937.01,4850.39 ; 3937.01,5401.15 3386.25,4850.39 590.55,4850.39 590.55,5145.67 0,5145.67 0,4850.39 ; 3937.01,6260.31 3937.01,5551.65 ; 3937.01,6627.95 3937.01,7753.85 3937.01,7976.85 ; 3937.01,7275.59 3467,7275.59 3937,7745.59 ; 3937.01,7826.35 3386.25,7275.59 590.55,7275.59 590.55,7570.87 0,7570.87 0,7275.59 ; 3937.01,8685.51 3937.01,7976.85 ; 3937.01,9053.15 3937.01,9307.09 ; 3937.39,1409.92 3362.2,1409.92 3362.2,701.26 3937.01,701.26 ; 3937.39,4202.76 3937.39,3835.12 3362.2,3835.12 3362.2,3126.46 3937.01,3126.46 ; 3937.39,6627.95 3937.39,6260.31 3362.2,6260.31 3362.2,5551.65 3937.01,5551.65 ; 3937.39,9053.15 3937.39,8685.51 3362.2,8685.51 3362.2,7976.85 3937.01,7976.85 ; 0,0 -196.85,0 -196.85,9570.87 0,9570.87 ; 0,0 0,295.28 590.55,295.28 590.55,0 3386.25,0 3937.01,550.76 ; 0,2295.28 0,2362.2 0,2425.2 ; 0,2295.28 405.51,2295.28 405.51,2362.2 3740.8,2362.2 3937.01,2165.99 ; 0,4720.47 0,2720.2 0,4720.47 ; 0,4720.47 0,4787.4 0,4850.39 ; 0,4720.47 405.51,4720.47 405.51,4787.4 3740.8,4787.4 3937.01,4591.19 ; 0,7145.67 0,5145.39 0,7145.67 ; 0,7145.67 0,7212.6 0,7275.59 ; 0,9570.87 0,7570.59 0,9570.87 ; 0,9570.87 405.51,9570.87 405.51,9637.8 3740.8,9637.8 3937.01,9441.58 ; 3937.01,0 4133.86,0 4133.86,9441.58 3937.01,9441.58 ; 3937.01,0 3937.01,550.76 ; 3937.01,550.76 3937.01,701.26 ; 3937.01,701.26 3937.01,1409.92 3937.01,1769.68 ; 3937.01,1769.68 3937.01,2031.5 ; 3937.01,2031.5 3937.01,2165.99 ; 3937.01,2165.99 3937.01,2425.2 ; 3937.01,2425.2 3937.01,2903.46 3937.01,3126.46 ; 3937.01,4456.69 3937.01,4591.19 ; 3937.01,4591.19 3937.01,4850.39 ; 3937.01,4850.39 3937.01,5328.65 3937.01,5551.65 ; 3937.01,9307.09 3937.01,9441.58

## Other copper
Top Layer:
  region net VIN_NB: 1922,824 2112,824 2134,846 2295,846 2307,834 2307,739 2284,716 2244,716 2210,750 1921,750 1916,755 1916,818
  region net VCC: 1466.5,1452.5 1471.5,1447.5 1471.5,1420.5 1465.5,1414.5 1408.5,1414.5 1402.5,1420.5 1402.5,1445.5 1409.5,1452.5
  region net MOTO_B: 1047,904 1193,904 1240,857 1472,857 1478,863 1478,898 1474,902 1256,902 1222,936 1048,936 1046,934 1046,905
  region net MOTO_R: 1046,886 1178,886 1241,823 1468,823 1473,818 1473,784 1466,777 1233,777 1156,854 1047,854 1045,856 1045,885
  region net MOTO_R: 1458,1051 1380,1051 1370,1061 1370,1135 1375,1140 1397,1140 1401,1136 1401,1090 1405,1086 1458,1086 1459,1085 1459,1052
  region net MOTO_B: 1458,1019 1379,1019 1369,1009 1369,893 1372,890 1394,890 1402,898 1402,979 1407,984 1457,984 1459,986 1459,1018
  region net WY_POW: 1655,405 1658,402 1658,377 1655,374 1609.5,374 1606.5,377 1606.5,403 1608.5,405
  region net NetC21_1: 2250,902 2270,922 2270,988 2276,994 2331,994 2337,1000 2337,1030 2332,1035 2296,1035 2282,1049 2282,1091 2277,1096 2234,1096 2227,1089 2227,980 2213,966 2128,966 2122,960 2122,906 2126,902
  region net GPRS_3.6V: 1993,1142 2236,1142 2243,1149 2243,1197 2227,1213 1997,1213 1987,1203 1987,1148
  region net GPRS_3.6V: 2119,1820 2353,1820 2377,1844 2377,2052 2398,2073 2552,2073 2607,2128 3163,2128 3171,2136 3171,2159 3165,2165 2579,2165 2527,2113 2375,2113 2336,2074 2336,1875 2326,1865 2122,1865 2118,1861 2118,1821
  region net WY_SCL: 1214.5,605 1265.5,605 1268.86,601.64 1268.86,572.36 1265.5,569 1213.5,569 1211.86,570.64 1211.86,602.36
  region net EARTH: 42,531 425,531 444,512 444,344 433,333 52,333 34,351 34,523
  region net VIN: 24,769 19,764 19,680 27,672 165,672 172,679 172,769
  region net VIN2: 631,753 785,753 812,726 812,575 831,556 831,499 809,477 809,361 806,358 768,358 763,363 763,693 742,714 631,714
  region net 3.6V: 860,248 864,244 923,244 934,255 934,425 918,441 860,441
  region net VIN_NB: 890,461 897,454 962,454 970,462 970,561 898,561 890,553
  region net 5V: 142,1560 142,1294 175,1261 244,1261 269,1286 269,1440 203,1506 203,1560
  region net 3.6V: 143,1621 363,1621 363,1677 143,1677
  region net VCC: 413,1568 478,1568 491,1581 569,1581 588,1562 747,1562 751,1558 751,1489 745,1483 423,1483 413,1493
Bottom Layer:
  region net MOTO_R: 1392,1143 1398,1137 1398,1090 1393,1085 1323,1085 1319,1089 1319,1135 1327,1143
  region net MOTO_B: 1397,992 1405,984 1405,946 1399,940 1341,940 1329,940 1326,943 1326,986 1332,992
  region net MOTO_R: 1224,1126 1200,1102 1200,782 1207,775 1243,775 1253,785 1253,824 1231,846 1231,1085 1235,1089 1261,1089 1266,1094 1265,1095 1265,1123 1262,1126
  region net EARTH: 42,531 425,531 444,512 444,344 433,333 52,333 34,351 34,523
  region net VIN: 210,704 221,715 221,764 229,772 258,772 264,766 264,723 279,708 279,648 276,645 28,645 24,649 24,698 30,704
  region net NetC4_1: 194,765 194,908 226,940 226,1030 207,1049 143,1049 132,1038 132,765
  region net VIN_NB: 338,647 423,647 461,685 461,1010 449,1022 367,1022 363,1018 363,729 338,704
  region net 5V: 192,1341 192,1260 211,1241 247,1241 275,1213 275,1168 281,1162 326,1162 367,1121 459,1121 468,1130 468,1214 435,1247 321,1247 273,1295 273,1330 262,1341
GND (plane layer: these items are gaps in the copper):
  pour cut-out: 3528.6,2347.4 3528.6,2251.4 3902.6,2251.4 3902.6,2347.4
  pour cut-out: 3547,161 3380,-6 2029,-6 2029,161
  pour cut-out: 0,564 486,564 486,290 13,290 0,303
POWER (plane layer: these items are gaps in the copper):
  pour cut-out: 3528.6,2347.4 3528.6,2251.4 3902.6,2251.4 3902.6,2347.4
  pour cut-out: 3547.25,161 3380.25,-6 2029,-6 2029,161
  pour cut-out: 0,564 486,564 486,290 13,290 0,303
  lines w20: 965,392 965,258 944,237 834,237 762,309 762,545 714,593 196,593 100,689 100,1653 148,1701 337,1701 ; 1295,390 1295,217 1312,200 1884,200 1926,158 1926,47.26 1937.26,36 2011,36 2022,47 2022,222 2047,247 2310,247 2325,262 2325,360 2343,378 3255,378 3292,415 3292,1131 3281,1142 2260,1142 ; 2260,1504 2260,1142 ; 2261,1604 2261,1877 2238,1900 2018,1900 2004,1886 2004,1142 2025,1121 2239,1121 2260,1142 ; 2404,1479 2404,1390 2424,1370 2905,1370 2919,1384 2919,1479 ; 2583,1601 2583,2185 2557,2211 542,2211 508,2177 508,1767 442,1701 337,1701 ; 274,673 800,673 846,627 846,421 875,392 1955,392 2180,617 2180,835 2168,847 305,847 274,816 274,673 ; 274,673 239,673 189,723 189,1582 203,1596 316.83,1596 337,1616.17 337,1701 ; 255,1054.35 275.17,1034.17 1603.17,1034.17 1616,1047 1616,1148 1592,1172 1521,1172 488,1172 400,1260 280,1260 255,1235 255,1054.35 ; 2133,1522 2133,1581 2151,1599 3370,1599 3401,1568 3401,1500 3380,1479 2376,1479 2349,1506 2149,1506 2133,1522
Multi-Layer:
  pour cut-out: 3528.6,2347.4 3528.6,2251.4 3902.6,2251.4 3902.6,2347.4
  pour cut-out: 3547,161 3380,-6 2029,-6 2029,161
  pour cut-out: 0,564 486,564 486,290 13,290 0,303

## Silkscreen, mask and mechanical layers (free items; w line width, h text height)
Top Overlay:
  text "R" at 3737,1573 h50
  text "G" at 3854,1573 h50
  text "T" at 3798,1571 h50
  text "四线阀" at 1042,1146 h100
  text "阀门" at 1116,1060 h100
  text "主电" at 153,1026 h100
  text "温压" at 916,379 h100
  text "备电/模块" at 735,276 h90 r90
  text "UMU" at 794,169 h100
  text "R" at 1302,63 h50
  text "C" at 1347.25,63 h50
  text "I" at 1392.5,63 h50
  text "G" at 1426.75,63 h50
  text "V" at 1471,63 h50
Bottom Overlay:
  circle w10: c2913.39,748.03 r320.87
  text "MARK" at 725,2280 h30
  text "R" at 3797,1640 h50
  text "G" at 3894,1640 h50
  text "T" at 3849,1638 h50
  text "灯" at 3095,928 h100
  text "白" at 2776,553 h100
  text "黑" at 2906,548 h100
  text "WX0.010.826PCB-4.2" at 1052,543 h40
  text "102010403-****" at 1046,489 h40
  text "UWLWn-P52" at 1046,433 h40
  text "2025-4-22" at 1046,377 h40
  text "V1" at 1046,321 h40
  text "R" at 1329,41 h50
  text "C" at 1379,41 h50
  text "I" at 1412,41 h50
  text "G" at 1458,41 h50
  text "V" at 1509,41 h50
  text "MARK" at 3286,39 h30

## Text inside footprints (layer, text, board x,y; h text height)
B1: Bottom Overlay "+" at 597,1891 h80 r270
C12: Bottom Overlay "-" at 420.14,1380.22 h78.74 r180; Bottom Overlay "+" at 125.78,1376 h78.74 r180
C50: Bottom Overlay "-" at 677,1279 h78.74 r180; Bottom Overlay "+" at 466.54,1314.82 h78.74 r180
LCD1: Bottom Overlay "1" at 1115.24,2230.99 h30; Bottom Overlay "26" at 3198.87,2233.4 h30